# KiCad board proteus.kicad_pcb (continued)
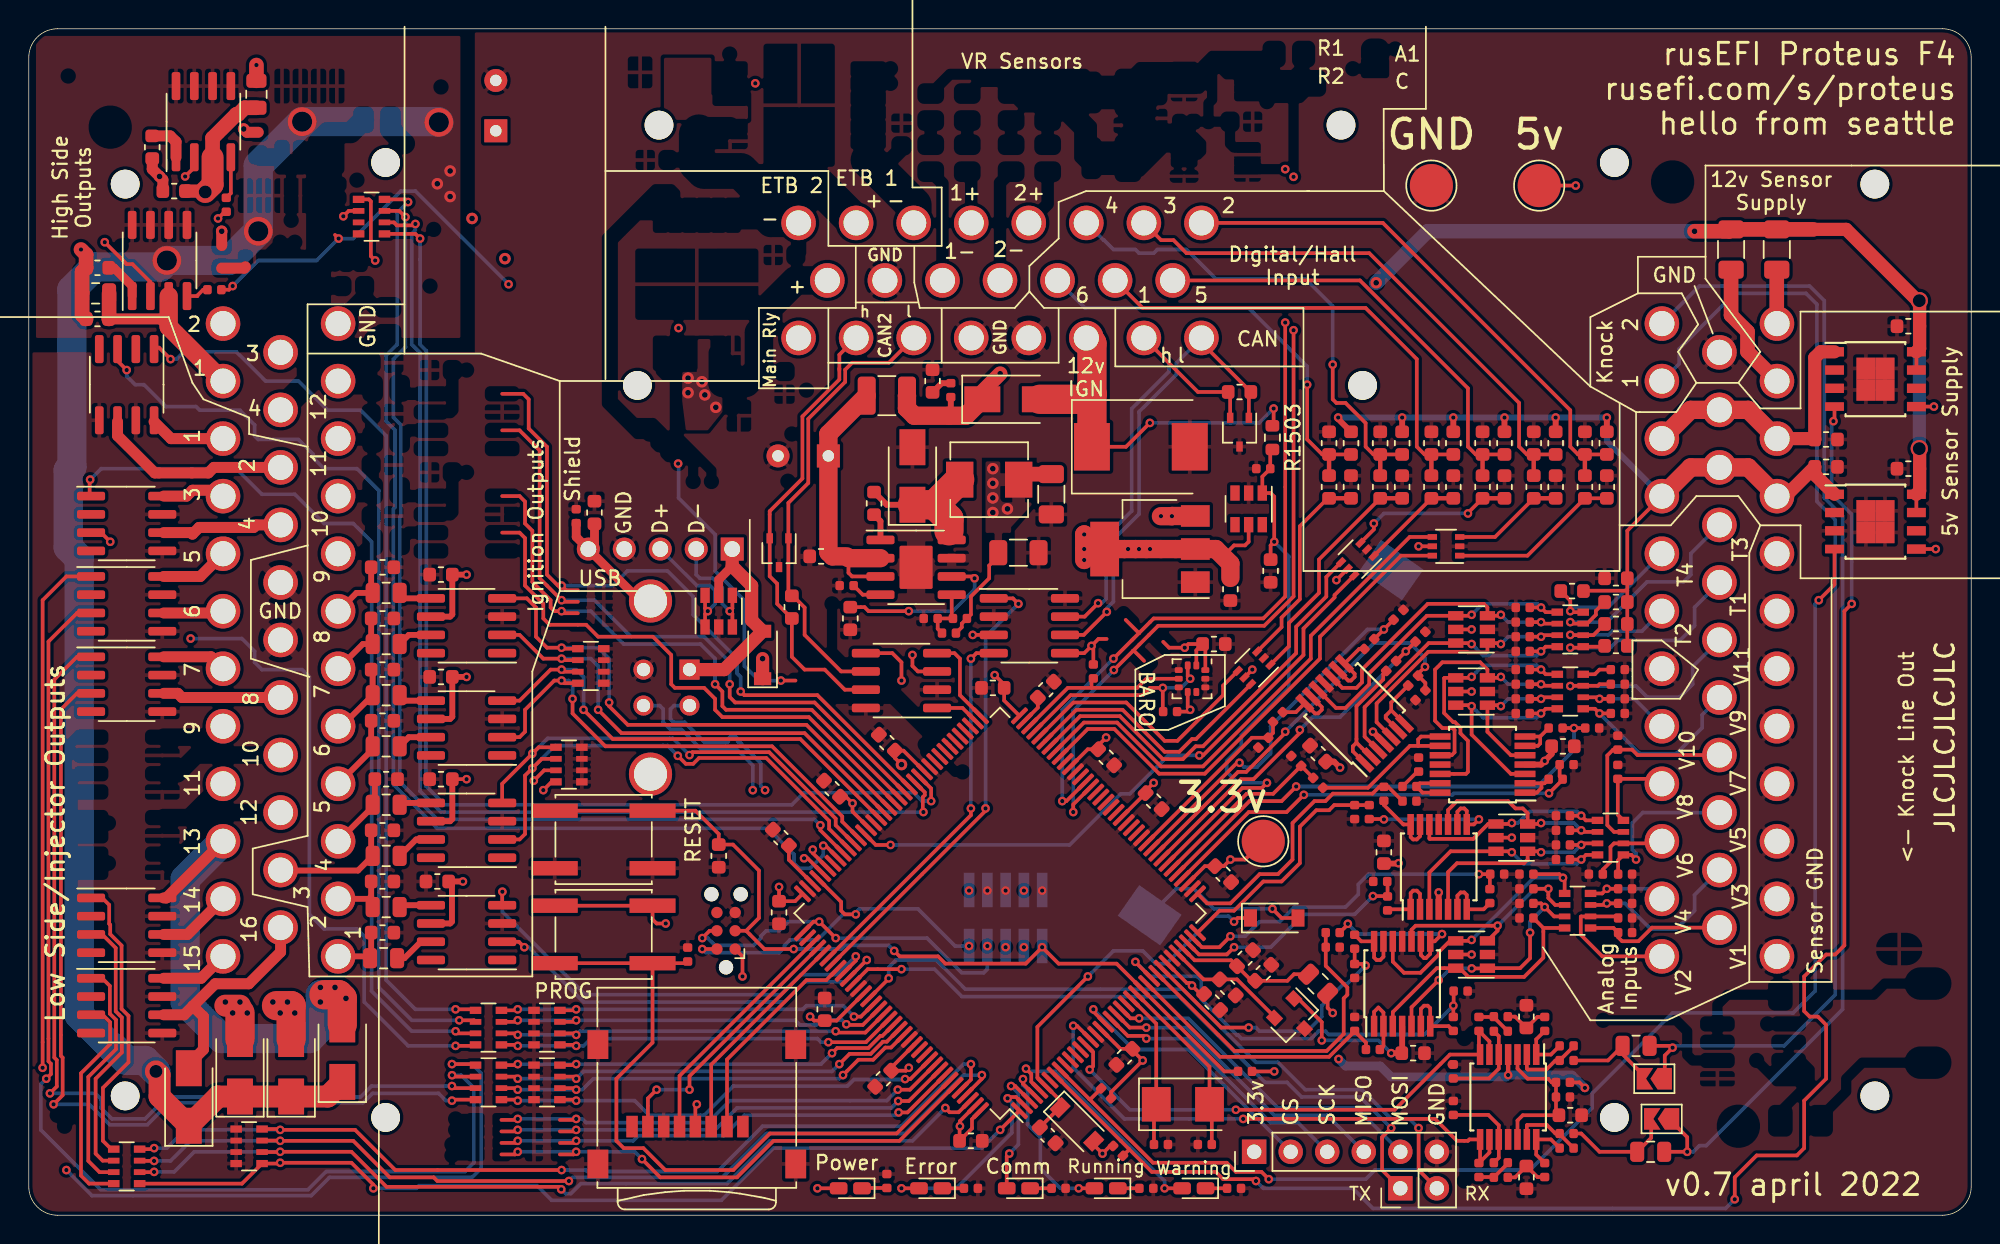
[diagram p0: board, top side]
## Routing (per net, layer and track width the routed paths; a pad name or vN(x,y) marks a point on that pad's centre or on a via; arc(x,y) is an arc through that point) (continued)
/mcu/AV5: length 17
  Top w0.254: R13.2 94.43,23.19 R9.1 94.41,22.19 v1(93.42,22.19) ; v1(83.77,18.64) 83.26,18.13 81.33,18.13 U1501.34
  Bottom w0.254: v1(93.42,22.19) 92.15,20.92 88.59,20.92 86.31,18.64 v1(83.77,18.64)
/mcu/AV6: length 24.5
  Top w0.254: v1(83.51,19.4) 82.75,18.64 81.53,18.64 U1501.35 ; R10.1 101.55,23.69 R14.2 v1(100.78,23.72)
  Bottom w0.254: v1(83.51,19.4) 84.53,19.4 85.54,20.41 86.94,20.41 87.96,21.43 91.51,21.43 92.4,22.32 92.4,23 93.12,23.72 v1(100.78,23.72)
/mcu/AV7: length 17.1
  Top w0.254: U1501.36 82.76,21.18 83.77,21.18 85.8,23.21 87.07,23.21 88.34,24.48 88.34,27.02 89.48,28.16 90.37,28.16 90.73,28.52 R15.2 R11.1
/mcu/AV8: length 19.8
  Top w0.254: U1501.37 81.9,21.68 83.51,21.68 85.54,23.72 86.81,23.72 87.83,24.73 87.83,27.27 89.35,28.8 90.12,28.8 90.64,29.32 93.39,29.32 93.86,29.79 R12.1 94.48,29.79 R16.2
/mcu/AV9: length 30.4
  Top w0.254: v1(88.62,29.23) 87.42,28.03 84.79,28.03 U1501.40 ; R21.2 106.39,30.53 R17.1 106.6,30.29 v1(105.66,29.34)
  Bottom w0.254: v1(105.66,29.34) 99.04,29.34 98.93,29.23 v1(88.62,29.23)
/mcu/AV10: length 34.2
  Top w0.254: v1(88.08,29.81) 87.07,28.8 84.84,28.8 U1501.41 ; R18.1 v1(107.39,33.88) R22.2
  Bottom w0.254: v1(88.08,29.81) 104.85,29.81 107.39,32.35 v1(107.39,33.88)
/mcu/AV11: length 13.1
  Top w0.254: R19.1 R23.2 86.48,29.3 84.64,29.3 U1501.42
/mcu/VDDA: length 10.2
  Top w0.254: U1501.33 81.03,17.73 83.56,17.73 C1501.1 84.99,16.3 C1502.1 87.47,16.3 87.93,16.76 FB1501.2
  Top w0.406: 84.18,17.11 C1501.1
GND: length 11.2
  Top w0.61: C25.1 98.91,10.48
  Top w0.762: R1108.2 8.58,72.74 v2(9.09,72.23) 9.32,72 C1302.2 ; 13.41,67.43 v2(13.41,68.42) ; 15.95,75.3 15.16,75.3 v2(14.93,75.53)
  Top w1.016: v1(3.63,67.15) 3.98,66.79 R1106.2 3.71,65.6 R34.2 3.71,62.6 C1301.2 ; R35.2 v1(15.82,79.98)
  Bottom w0.254: J1502.9 v1(70.43,22.57) ; 66.62,22.62 v1(66.62,22.57) ; J1502.5 v1(67.89,22.57)
(no net): length 1.7
  Top w0.762: 15.06,65.94 14.97,65.85 13.41,65.85
/AT1: length 15.4
  Top w0.254: v1(107.13,39.46) 107.96,39.46 RN1101.1 109.46,39.53 R1101.2
  Bottom w0.254: J103.19 115.77,42.27 115.77,40.99 114.75,39.97 110.44,39.97 109.93,39.46 v1(107.13,39.46)
/AT2: length 9.8
  Top w0.254: v1(107.13,40.35) 107.15,40.33 RN1101.2 108.74,40.33 R1102.2
  Bottom w0.254: J103.30 112.11,40.61 110.06,40.61 109.8,40.35 v1(107.13,40.35)
/AT3: length 17.2
  Top w0.254: R1103.2 108.91,42.03 108.91,41.75 108.3,41.13 RN1101.3 107.24,41.13 v1(107.13,41.24)
  Bottom w0.254: J103.20 115.52,46.02 115.52,44.54 115.01,44.04 112.47,44.04 109.67,41.24 v1(107.13,41.24)
/AT4: length 10.6
  Top w0.254: RN1101.4 107.2,41.93 v1(107.13,42) 107.13,42.74 R1104.2
  Bottom w0.254: v1(107.13,42) 107.39,42.26 109.76,42.26 J103.31
/CAN2+: length 31.6
  Top w0.254: 57.6,60.9 J101.22 56.33,59.83 56.33,58.87 ; 56.33,58.87 56.33,58.11 53.77,55.55 53.77,51.23 51.49,48.95 D2.2 51.49,44.43 52.02,43.91 52.02,42.51 R33.1 53.03,38.83 53.92,37.94 55.32,37.94 56.72,36.54 U6.7 ; 56.33,58.87 56.33,58.77
/CAN2-: length 32.6
  Top w0.254: 58.18,37.81 56.46,37.81 53.92,40.35 53.92,42.26 53.11,43.07 R33.2 52.79,43.31 D2.1 52.79,49.53 54.17,50.92 54.17,55.38 56.74,57.94 56.74,58.79 57.22,59.28 59.78,59.28 J101.21
  Top w0.406: 62.48,61 J101.21
/CAN+: length 34.1
  Top w0.254: 76.91,60.41 J101.17 81.26,57.24 R1004.1 83.5,57.11 D1.2 ; v1(74.32,42.56) 73.38,41.62 U904.7
  Bottom w0.254: J101.17 79.25,59.25 79.25,58.67 76.65,56.08 76.65,48.97 74.88,47.19 74.88,42.87 74.56,42.56 v1(74.32,42.56)
/CAN-: length 32.4
  Top w0.254: v1(74.92,41.96) 73.32,40.35 U904.6 ; J101.16 81.5,60.68 R1004.2 84.8,57.11 84.8,55.45
  Bottom w0.254: v1(74.92,41.96) 74.92,42.2 75.38,42.66 75.38,46.98 77.16,48.76 77.16,55.87 79.75,58.46 79.75,59.25 J101.16
/DIGITAL_1: length 33.6
  Top w0.254: R1401.2 C1401.1 97.01,52.9 96.47,53.44 96.47,59.53 92.91,63.09 77.41,63.09 J101.10
  Top w0.305: R1402.2 C1401.1
/DIGITAL_2: length 37.8
  Top w0.254: J101.1 94.11,69 107.13,55.97 107.13,53.44 107.67,52.9 C1403.1 R1403.2
  Top w0.305: C1403.1 R1404.2
/DIGITAL_3: length 38.5
  Top w0.254: J101.2 78.7,67.8 79.56,67.8 80.46,66.9 93.16,66.9 103.58,56.48 103.58,53.44 104.12,52.9 C1405.1 R1405.2
  Top w0.305: R1406.2 C1405.1
/DIGITAL_4: length 35.1
  Top w0.254: R1407.2 C1407.1 93.45,52.9 92.91,53.44 92.91,55.09 91.51,56.48 90.88,56.48 90.62,56.74 v3(90.62,59.15)
  Top w0.305: C1407.1 R1408.2
  Bottom w0.254: J101.3 74.7,67.8 74.73,67.8 75.38,67.15 76.91,67.15 77.16,66.9 78.18,66.9 78.43,67.15 80.46,67.15 82.5,65.12 88.72,65.12 90.62,63.21 v3(90.62,59.15)
/DIGITAL_5: length 31.9
  Top w0.254: R1201.2 C1204.1 100.56,52.9 100.02,53.44 100.02,57.5 92.52,65 J101.9
  Top w0.305: C1204.1 R1202.2
/DIGITAL_6: length 29.9
  Top w0.254: R1203.2 C1207.1 89.89,52.9 88.85,53.95 v1(88.85,57.75)
  Top w0.305: R1204.2 C1207.1
  Bottom w0.254: J101.11 73.41,63.09 84.78,63.09 88.85,59.02 v1(88.85,57.75)
/ETB1_DIR: length 0.5
  Top w0.254: U1501.79 64.03,32.64 63.73,32.93 63.7,32.93
/highside_quad/IN1: length 78.2
  Top w0.254: v1(55.22,25.7) 55.38,25.7 U1501.101 ; RN1301.4 26.18,70.64 v3(26.36,70.45)
  Bottom w0.254: v3(26.36,70.45) 25.6,69.69 25.6,60.55 24.84,59.78 24.84,55.21 25.45,54.6 25.45,49.22 25.35,49.12 25.35,29.94 28.38,26.9 51.37,26.9 53.18,25.09 53.18,24.48 53.54,24.12 54.3,24.12 55.22,25.04 v1(55.22,25.7)
/highside_quad/IN2: length 74.7
  Top w0.254: v1(55.01,27.12) 55.01,26.77 U1501.100 ; RN1301.3 25.75,69.84 v3(26.18,69.41)
  Bottom w0.254: v3(26.18,69.41) 26.18,68.98 ; 26.18,68.98 26.11,68.91 ; 26.18,68.98 26.18,60.36 25.35,59.53 25.35,55.47 25.85,54.96 25.85,48.61 25.79,48.54 25.79,30.13 28.39,27.53 54.61,27.53 v1(55.01,27.12)
/highside_quad/IN3: length 80.1
  Top w0.254: U1501.86 62.27,29.41 62.27,29.21 62.14,29.07 62.14,28.07 v1(62.18,28.03) ; v3(26.87,68.93) 26.77,68.83 25.58,68.83 25.38,69.04 RN1301.2
  Bottom w0.254: v1(62.18,28.03) 28.65,28.03 27.2,29.49 27.2,59.97 26.62,60.55 26.62,68.25 26.87,68.5 v3(26.87,68.93)
/highside_quad/IN4: length 79.1
  Top w0.254: v1(62.71,28.8) 62.71,29.67 U1501.85 ; v3(27.2,67.91) 26.87,68.24 RN1301.1
  Bottom w0.254: v1(62.71,28.8) 62.08,28.8 61.5,29.38 53.87,29.38 53.03,28.54 28.9,28.54 27.6,29.84 27.6,37.66 27.63,37.69 27.63,60.1 27.2,60.54 v3(27.2,67.91)
/HS1: length 13.7
  Top w0.762: 9.73,61.77 9.18,62.32 C1301.1
  Top w1.016: C1301.1 5.58,62.35 R34.1
  Top w1.27: U1102.3 9.73,61.77 J102.2
/HS2: length 19.5
  Top w0.914: C1302.1 12.2,71.21 v4(12.27,71.15)
  Top w1.016: 12.77,73.56 12.77,74.9 14.42,76.55 14.55,76.55 15.01,77.01 R35.1
  Top w1.524: 12.77,73.56 12.77,71.66 v4(12.27,71.15)
  In2.Cu w2.032: J102.1 12.3,63.2 12.3,66.9 11.63,67.57 11.63,70.52 v4(12.27,71.15)
/IGN1: length 4.1
  Top w0.406: C1605.1 23.8,17.95 R1601.1 23.6,18 J102.35
/ign1/IN1: length 42.7
  Top w0.254: v1(34.44,18.64) 34.06,19.02 U1602.2 ; RN1601.8 36.34,30.14 v1(35.76,29.56) ; v1(58.24,17.75) 58.24,17.75 U1501.118
  In2.Cu w0.254: v1(34.44,18.64) 34.44,28.24 v1(35.76,29.56)
  Bottom w0.254: v1(34.44,18.64) 34.74,18.64 38.55,14.83 52.52,14.83 53.92,16.22 56.72,16.22 v1(58.24,17.75)
/ign1/IN2: length 42.8
  Top w0.254: v1(32.92,22.5) 32.9,22.48 U1602.4 ; v1(35.1,30.22) 35.82,30.94 RN1601.7 ; U1501.117 57.48,17.69 v1(57.48,18)
  In2.Cu w0.254: v1(35.1,30.22) 34.03,29.15 34.03,22.95 33.58,22.5 v1(32.92,22.5)
  Bottom w0.254: v1(32.92,22.5) 32.92,21.1 38.68,15.33 52.27,15.33 53.67,16.73 56.21,16.73 v1(57.48,18)
/ign1/IN3: length 34.7
  Top w0.254: 32.9,26.13 34.11,26.13 34.49,26.51 34.49,30.57 v1(35,31.08) 35.65,31.74 RN1601.6 ; U1501.99 55.62,26.87 55.62,27.42 51.25,31.79 46.58,31.79 46.17,31.39 45.67,31.39 v1(45.11,31.95)
  Bottom w0.254: v1(35,31.08) 36.57,32.66 44.4,32.66 v1(45.11,31.95)
/ign1/IN4: length 32.3
  Top w0.254: RN1601.5 35.44,32.54 v1(35,32.1) 32.9,30 U1603.4 ; v1(45.92,32) 46.12,32.2 51.46,32.2 56.08,27.58 56.08,27.12 U1501.98
  Bottom w0.254: v1(45.92,32) 44.75,33.16 36.06,33.16 v1(35,32.1)
/IGN2: length 4.2
  Top w0.406: C1606.1 23.8,22.17 ; 23.8,22.17 23.63,22 J102.34 ; 23.8,22.17 23.8,21.53 R1602.1
/ign2/IN1: length 34.4
  Top w0.254: RN1701.8 37.21,36.99 v1(37.03,37.18) 36.52,37.18 34.49,35.15 34.49,33.62 34.11,33.24 U1701.2 ; v1(37.79,35.91) 37.79,34.89 40.08,32.61 51.66,32.61 56.54,27.73 56.54,27.37 U1501.97
  Bottom w0.254: v1(37.03,37.18) 37.54,37.18 37.79,36.92 v1(37.79,35.91)
/ign2/IN2: length 33.9
  Top w0.254: 32.9,35.78 34.11,35.78 36.27,37.94 v1(37.03,37.94) 37.18,37.79 RN1701.7 ; v1(38.55,35.15) 40.59,33.11 53.62,33.11 U1501.93
  Bottom w0.254: v1(37.03,37.94) 38.05,37.94 38.55,37.43 v1(38.55,35.15)
/ign2/IN3: length 34.6
  Top w0.254: RN1701.6 37.14,38.59 v1(37.03,38.7) 35.76,38.7 34.11,40.35 U1702.2 ; v1(39.57,35.15) 41.2,33.52 53.92,33.52 U1501.92
  Bottom w0.254: v1(39.57,35.15) 39.57,38.19 39.06,38.7 v1(37.03,38.7)
/ign2/IN4: length 37.2
  Top w0.254: v1(40.33,35.65) 40.33,35.4 41.63,34.1 54.05,34.1 U1501.91 ; RN1701.5 37.1,39.39 v1(37.03,39.46) 36.01,39.46 35.25,40.23 35.25,42.26 34.62,42.89 U1702.4
  Bottom w0.254: v1(40.33,35.65) 40.33,38.7 39.57,39.46 v1(37.03,39.46)
/IGN3: length 8.7
  Top w0.406: J102.22 17.53,23.97 22.88,23.97 R1603.1 23.8,25.09 C1608.1
/IGN4: length 5.4
  Top w0.406: C1609.1 24.05,28.69 R1604.1 23.9,28.4 J102.33
/IGN5: length 5.4
  Top w0.406: C1702.1 23.8,32.71 R1701.1 23.9,32.4 J102.32
/IGN6: length 5.1
  Top w0.406: C1703.1 23.9,37.84 R1702.1 21.74,34 J102.31
/IGN7: length 4.9
  Top w0.406: J102.30 23.22,39.72 R1703.1 23.8,39.82 C1705.1
/IGN8: length 4.7
  Top w0.406: C1706.1 23.8,43.38 R1704.1 22.77,43.27 J102.29
/IGN9: length 39.2
  Top w0.254: 32.9,47.47 34.11,47.47 34.49,47.08 34.49,43.78 35.76,42.51 35.76,41.5 36.2,41.06 38.74,41.06 39.57,40.23 43.38,40.23 44.65,38.96 44.65,36.92 44.9,36.67 46.94,36.67 47.7,35.91 47.7,35.15 48.21,34.64 54.22,34.64 U1501.90
/IGN10: length 42.4
  Top w0.254: v1(47.7,36.92) 48.21,36.42 48.21,35.4 48.46,35.15 54.41,35.15 U1501.89 ; 38.16,41.86 37.18,41.86 v1(37.03,42) 36.52,42 36.27,42.26 36.27,42.77 35,44.04 35,47.59 34.49,48.1 34.49,49.62 34.11,50.01 32.9,50.01
  Bottom w0.254: v1(37.03,42) 39.06,42 41.35,39.72 46.68,39.72 47.7,38.7 v1(47.7,36.92)
/IGN11: length 46.2
  Top w0.254: v1(48.71,36.92) 48.71,36.03 49.09,35.65 54.61,35.65 U1501.88 ; 32.9,54.58 34.11,54.58 35.51,53.18 35.51,44.29 v1(37.03,42.77) 37.14,42.66 38.16,42.66
  Bottom w0.254: v1(37.03,42.77) 39.32,42.77 41.86,40.23 46.94,40.23 48.71,38.45 v1(48.71,36.92)
/IGN12: length 50.1
  Top w0.254: U1501.87 61.2,29.78 54.81,36.16 49.73,36.16 v1(49.48,36.42) ; 38.16,43.46 37.35,43.46 v1(37.03,43.78) 36.78,43.78 36.01,44.54 36.01,53.43 34.74,54.7 34.74,56.74 34.36,57.12 32.9,57.12
  Bottom w0.254: v1(49.48,36.42) 49.48,37.43 49.22,37.69 49.22,38.7 46.17,41.75 46.17,43.02 44.4,44.8 41.6,44.8 40.59,43.78 v1(37.03,43.78)
/knock/FILTERED_1: length 35.6
  Top w0.254: U1501.14 73.97,11.35 73.97,10.36 v1(73.73,10.13) ; v1(83.89,7.33) 94.93,7.33 98.77,11.17 U5.7 100.78,11.25 C23.2 101.52,12.09 U5.6
  Bottom w0.254: v1(83.89,7.33) 76.53,7.33 v1(73.73,10.13)
/knock/FILTERED_2: length 38.6
  Top w0.254: U1501.15 72.85,13.18 v1(72.59,13.18) ; U5.9 101.52,4.36 C24.2 100.87,3.71 U5.8 100.12,5.27 100.02,5.17 99.26,5.17 97.74,6.7 v1(84.4,6.7)
  Bottom w0.254: v1(72.59,13.18) 72.59,10.25 76.15,6.7 v1(84.4,6.7)
/knock/V_mid: length 10.8
  Top w0.254: U5.12 103.47,6.59 103.83,6.95 C1903.2 106.14,7.16 R38.1 R40.1 105.85,9.24 105.59,9.49 104.17,9.49 103.47,10.19 U5.3
/KNOCK_1: length 79.8
  Top w0.254: C1901.2 114.12,11.78 v1(114.25,11.65) 113.7,11.11 JP1.1 113.7,9.71
  Bottom w0.254: v1(114.25,11.65) 114.37,11.78 121.99,11.78 125.55,15.33 125.55,48.35 124.28,49.62 124.28,63.34 123.52,64.1 118.56,64.1 114.7,60.24 114.7,59.2 J103.34
/KNOCK_2: length 81.8
  Top w0.254: C1902.2 v1(115.26,4.41) 115.26,5.43 114.21,6.48 JP2.1
  Bottom w0.254: v1(115.26,4.41) 115.69,4.41 116.11,4.84 116.58,4.84 126.06,14.32 126.06,48.61 124.79,49.88 124.79,63.59 123.77,64.61 116.11,64.61 J103.35
/lowside_quad1/IN1: length 27.9
  Top w0.254: v1(38.05,14.32) 37.98,14.25 RN202.8 ; v1(33.98,14.32) 33.91,14.25 RN201.4 ; U1501.123 57.84,13.81 v1(57.35,13.81)
  Bottom w0.254: v1(57.35,13.81) 56.59,14.57 54.05,14.57 53.79,14.32 v1(38.05,14.32) v1(33.98,14.32)
/lowside_quad1/IN2: length 28.3
  Top w0.254: v1(56.82,13.28) 56.87,13.23 57.96,13.23 U1501.124 ; RN201.3 33.87,13.45 v1(33.98,13.56) ; RN202.7 37.94,13.45 v1(38.05,13.56)
  Bottom w0.254: v1(56.82,13.28) 56.52,13.58 55.09,13.58 54.74,13.23 53.61,13.23 53.29,13.56 v1(38.05,13.56) v1(33.98,13.56)
/lowside_quad1/IN3: length 28.5
  Top w0.254: v1(56.08,12.79) 56.17,12.7 58.14,12.7 U1501.125 ; v1(38.05,12.54) 37.94,12.65 RN202.6 ; RN201.2 33.87,12.65 v1(33.98,12.54)
  Bottom w0.254: v1(56.08,12.79) 38.3,12.79 v1(38.05,12.54) v1(33.98,12.54)
/lowside_quad1/IN4: length 29.1
  Top w0.254: U1501.126 58.18,12.03 v1(55.57,12.03) ; RN201.1 33.91,11.85 v1(33.98,11.78) ; RN202.5 37.98,11.85 v1(38.05,11.78)
  Bottom w0.254: v1(55.57,12.03) 55.06,12.03 54.81,12.29 39.06,12.29 38.55,11.78 v1(38.05,11.78) v1(33.98,11.78)
/lowside_quad2/IN1: length 29.6
  Top w0.254: v1(33.98,10.51) 33.91,10.44 RN301.4 ; v1(55.83,11.27) 56.18,11.63 58.35,11.63 59.19,12.47 59.33,12.47 U1501.127 ; RN302.8 37.98,10.44 v1(38.05,10.51)
  Bottom w0.254: v1(33.98,10.51) v1(38.05,10.51) 55.06,10.51 v1(55.83,11.27)
/lowside_quad2/IN2: length 30.3
  Top w0.254: v1(33.98,9.49) 33.84,9.64 RN301.3 ; v1(38.05,9.49) 37.9,9.64 RN302.7 ; U1501.128 59.63,12.07 59.36,12.07 58.52,11.22 57.05,11.22 v1(56.33,10.51)
  Bottom w0.254: v1(56.33,10.51) 55.83,10 38.55,10 v1(38.05,9.49) v1(33.98,9.49)
/lowside_quad2/IN3: length 30.8
  Top w0.254: v1(56.59,9.75) 57.65,10.81 58.68,10.81 59.53,11.66 59.93,11.66 U1501.129 ; v1(33.98,8.73) 33.87,8.84 RN301.2 ; v1(38.05,8.73) 37.94,8.84 RN302.6
  Bottom w0.254: v1(33.98,8.73) v1(38.05,8.73) 38.47,8.73 39.23,9.49 56.33,9.49 v1(56.59,9.75)
/lowside_quad2/IN4: length 33
  Top w0.254: RN301.1 33.91,8.04 v1(33.98,7.97) ; RN302.5 37.98,8.04 v1(38.05,7.97) ; U1501.134 61.27,9.47 v1(60.9,9.47)
  Bottom w0.254: v1(33.98,7.97) v1(38.05,7.97) 42.11,7.97 43.13,6.95 46.94,6.95 48.97,8.98 56.9,8.98 57.35,9.44 60.87,9.44 v1(60.9,9.47)
/lowside_quad4/IN1: length 66
  Top w0.254: U1501.140 65.48,9.43 v1(65.48,10.51) ; RN501.4 8.64,4.6 v1(8.71,4.67) ; v1(37.03,3.14) 25.47,3.14 22.68,5.94 v1(17.47,5.94) 17.41,5.99 RN502.8
  Bottom w0.254: v1(65.48,10.51) 64.97,10.51 60.65,6.19 51,6.19 47.85,3.04 38.81,3.04 38.71,3.14 v1(37.03,3.14) ; v1(17.47,5.94) 10.87,5.94 9.6,4.67 v1(8.71,4.67)
/lowside_quad4/IN2: length 66.5
  Top w0.254: 16.21,5.19 17.45,5.19 v1(17.47,5.17) 22.55,5.17 25.09,2.63 28.14,2.63 28.39,2.38 v1(37.54,2.38) ; U1501.141 66.24,9.49 v1(66.24,9.75) ; RN501.3 7.72,3.78 v1(8.71,3.78)
  Bottom w0.254: v1(37.54,2.38) 37.79,2.63 48.21,2.63 51.25,5.68 60.91,5.68 64.97,9.75 v1(66.24,9.75) ; v1(17.47,5.17) 11.25,5.17 9.85,3.78 v1(8.71,3.78)
/lowside_quad4/IN3: length 63.7
  Top w0.254: v1(37.01,1.8) 36.83,1.97 24.86,1.97 22.42,4.41 v1(17.47,4.41) 17.45,4.39 RN502.6 ; RN501.2 8.69,3 v1(8.71,3.01) ; U1501.142 64.62,7.16 64,7.16 v1(63.7,7.46)
  Bottom w0.254: v1(37.01,1.8) 37.31,1.5 37.68,1.5 38.37,2.2 48.53,2.2 51.51,5.17 61.41,5.17 v1(63.7,7.46) ; v1(8.71,3.01) 10.11,3.01 11.5,4.41 v1(17.47,4.41)
/lowside_quad4/IN4: length 65.7
  Top w0.254: v1(67.51,5.94) 68.85,7.27 U1501.1 ; v1(23.95,1.87) 23.95,2.13 22.42,3.65 v1(17.47,3.65) 17.41,3.59 RN502.5 14.82,2.2 RN501.1
  Bottom w0.254: v1(23.95,1.87) 26.94,1.87 27.12,2.05 35.32,2.05 36.34,1.04 48.13,1.04 51.76,4.67 66.24,4.67 v1(67.51,5.94)
/LS1: length 5.3
  Top w0.762: J102.3 9.89,54 8.71,55.18
/LS2: length 13.5
  Top w0.762: J102.15 12.86,52 12.48,51.62 8.76,51.62 6.17,54.2 6.17,55.18
/LS3: length 4.6
  Top w0.762: J102.4 13.09,50.41 11.38,50.41 10.97,50.01 9.38,50.01
  Bottom w0.305: 13.37,50.13 J102.4
/LS4: length 8.4
  Top w0.762: 9.38,47.47 11.27,47.47 11.38,47.36 11.84,47.83 15.63,47.83 15.8,48 J102.16
/LS5: length 4.8
  Top w0.762: 9.38,44.42 11.92,44.42 J102.5
/LS6: length 4.2
  Top w0.762: J102.6 13.38,41.88 9.38,41.88
  Bottom w0.305: 13.5,42 J102.6
/LS7: length 4.5
  Top w0.762: J102.7 12.67,38.83 9.38,38.83
  Bottom w0.305: 13.44,37.94 J102.7
/LS8: length 8.2
  Top w0.762: 9.38,36.29 10.35,36.29 10.64,36 J102.19
/LS9: length 33.1
  Top w0.254: 32.85,6.63 33.91,6.63 v1(33.98,6.7) ; v1(60.4,8.73) 61.24,8.73 U1501.135 ; v1(38.05,6.7) 37.98,6.63 36.91,6.63
  Bottom w0.254: v1(33.98,6.7) v1(38.05,6.7) 38.47,6.7 38.72,6.44 47.19,6.44 48.71,7.97 59.64,7.97 v1(60.4,8.73)
/LS10: length 33.4
  Top w0.254: v1(33.98,5.94) 33.87,5.83 32.85,5.83 ; v1(38.05,5.94) 37.94,5.83 36.91,5.83 ; v1(60.43,7.94) 61.16,7.94 U1501.136
  Bottom w0.254: v1(33.98,5.94) v1(38.05,5.94) 47.7,5.94 49.22,7.46 59.95,7.46 v1(60.43,7.94)
/LS11: length 34
  Top w0.254: v1(60.45,7.15) 61.07,7.15 U1501.137 ; v1(38.05,5.17) 37.9,5.03 36.91,5.03 ; v1(33.98,5.17) 33.84,5.03 32.85,5.03
  Bottom w0.254: v1(60.45,7.15) 60.26,6.95 49.73,6.95 48.31,5.53 42.36,5.53 42.01,5.17 v1(38.05,5.17) v1(33.98,5.17)
/LS12: length 36.2
  Top w0.254: 36.91,4.23 37.86,4.23 v1(38.05,4.41) ; U1501.139 60.51,5.17 51.76,5.17 49.22,2.63 43.89,2.63 v1(42.62,3.9) ; 32.85,4.23 33.8,4.23 v1(33.98,4.41)
  Bottom w0.254: v1(33.98,4.41) v1(38.05,4.41) 42.11,4.41 v1(42.62,3.9)
/LS13: length 35.3
  Top w0.762: J102.10 9.57,22.06 9.38,22.06
  Top w2.032: 20.52,15.33 21.54,15.33 21.79,15.08 D103.2
  Bottom w2.032: J102.10 10.87,23.37 10.87,14.83 13.41,12.29 19.5,12.29 20.27,13.05 20.27,15.33 21.28,15.33
  vias: v2(20.27,15.84) v2(20.27,14.83) v2(21.28,15.84) v2(22.04,15.08)
/LS14: length 19.1
  Top w0.762: J102.11 11.02,19.52 9.38,19.52
  Top w1.524: 14.68,14.57 13.66,14.57
  Top w2.032: D101.2 14.68,14.06
  In2.Cu w2.032: 14.68,14.57 13.15,14.57 10.87,16.86 10.87,19.65 13.22,22 J102.11
  vias: v2(13.66,14.83) v2(14.17,14.06) v2(14.68,14.83) v2(15.19,14.06)
/LS15: length 15.5
  Top w0.762: 9.38,16.48 11.98,16.48 J102.12
  Top w2.032: 17.22,14.57 18.23,14.57 D104.2
  In2.Cu w2.032: 18.23,14.57 17.22,14.57 17.22,15.84 15.95,17.11 14.39,17.11 J102.12
  Bottom w0.305: J102.12 13.5,17.68
  Bottom w0.762: 13.66,17.84 J102.12
  vias: v2(16.96,14.83) v2(17.47,14.06) v2(17.98,14.83) v2(18.49,14.06)
/LS16: length 16.7
  Top w0.762: 11.4,14.54 10.8,13.94 9.38,13.94 ; 11.4,14.54 12.14,13.81 12.14,11.52 11.12,10.51 D102.2 ; 11.4,14.54 12.96,16.1 15.29,16.1 17.5,18.3 J102.23
/mcu/AT1: length 24.9
  Top w0.254: R25.1 v1(95.7,39.21) R29.2 ; U1501.44 84.24,30.32 85.12,30.32 88.34,33.54 v1(88.34,33.75)
  Bottom w0.254: v1(95.7,39.21) 91.13,34.64 89.23,34.64 v1(88.34,33.75)
/mcu/AT2: length 27.8
  Top w0.254: v1(97.04,38.13) 96.55,37.65 R26.1 97.06,37.01 R30.2 ; U1501.45 84.05,30.83 84.61,30.83 87.32,33.54 v1(87.32,33.62)
  Bottom w0.254: v1(87.32,33.62) 93.49,39.79 95.98,39.79 97.04,38.74 v1(97.04,38.13)
/mcu/AT3: length 25.7
  Top w0.254: R31.2 v1(94.18,40.73) R27.1 ; v1(84.15,31.46) 83.97,31.46 U1501.46
  Bottom w0.254: v1(84.15,31.46) 84.45,31.16 85.37,31.16 86.31,32.1 86.31,34 93.04,40.73 v1(94.18,40.73)
/mcu/AT4: length 12.7
  Top w0.254: U1501.47 85.01,33.2 R32.2 86.47,33.53 R28.1
/mcu/AUX_SPI_CS: length 19.2
  Top w0.254: U1501.18 73.99,14.16 v1(73.99,14.32)
  Bottom w0.254: J1505.2 80.59,11.52 76.78,11.52 v1(73.99,14.32)
/mcu/AUX_SPI_MISO: length 21.2
  Top w0.254: U1501.20 76.51,13.05 v1(77.67,13.05)
  Bottom w0.254: J1505.4 90.24,6.95 86.56,6.95 80.46,13.05 v1(77.67,13.05)
/mcu/AUX_SPI_MOSI: length 23.5
  Top w0.254: U1501.21 76.58,13.69 v1(77.17,13.69)
  Bottom w0.254: v1(77.17,13.69) 80.58,13.69 86.81,7.46 92.28,7.46 J1505.5
/mcu/AUX_SPI_SCK: length 18.8
  Top w0.254: v1(77.67,12.29) 77.49,12.47 76.38,12.47 U1501.19
  Bottom w0.254: J1505.3 88.21,6.44 86.31,6.44 80.46,12.29 v1(77.67,12.29)
/mcu/BARO_SCL: length 15
  Top w0.254: U9.2 80.55,37.48 v1(80.72,37.3) ; U1501.69 72.41,36.16 77.42,36.16 77.92,36.67 v1(78.81,36.67) 78.81,35.04 R41.2
  Bottom w0.254: v1(78.81,36.67) 80.08,36.67 v1(80.72,37.3)
/mcu/BARO_SDA: length 12.4
  Top w0.254: 73.86,36.67 73.86,37.2 R39.2 ; 73.86,36.67 72.21,36.67 U1501.70 ; 73.86,36.67 77.03,36.67 77.67,37.3 U9.4
/mcu/BOOT0: length 49.3
  Top w0.254: R1513.1 45.67,17.52 SW1502.1 ; SW1502.1 43.35,12 40.84,9.49 40.84,5.17 41.35,4.67 42.71,4.67 44.24,3.14 48.97,3.14 51.51,5.68 60.31,5.68 U1501.138 ; SW1502.1 SW1502.1
/mcu/CAN2_RX: length 6.3
  Top w0.254: U1501.73 66.15,34.73 64.72,36.16 64.72,38.7 64.33,39.08 U6.4
/mcu/CAN2_TX: length 3
  Top w0.254: U6.1 64.89,35.27 U1501.74
/mcu/CAN_RX: length 26.7
  Top w0.254: v1(65.48,28.29) 65.48,27.82 U1501.114 ; v1(65.48,38.7) 65.86,39.08 U904.4
  Bottom w0.254: v1(65.48,38.7) v1(65.48,28.29)
/mcu/CAN_TX: length 32.2
  Top w0.254: v1(68.78,42.51) 68.4,42.89 U904.1 ; U1501.115 66.49,28.13 v1(66.49,28.29)
  Bottom w0.254: v1(68.78,42.51) 66.49,40.23 v1(66.49,28.29)
/mcu/DIGITAL1: length 43.4
  Top w0.254: U1202.6 90.75,43.12 90.75,42.96 88.59,40.8 88.59,38.96 81.61,31.97 v1(81.35,31.97) ; v1(59.89,25.75) 58.86,25.75 U1501.96
  Bottom w0.254: v1(81.35,31.97) 79.19,31.97 76.53,29.3 75.89,29.3 72.34,25.75 v1(59.89,25.75)
/mcu/DIGITAL2: length 35.1
  Top w0.254: U1207.6 95.37,45.86 89.73,40.23 89.73,38.7 81.73,30.7 78.56,30.7 75.45,33.81 73.59,33.81 U1501.64
/mcu/DIGITAL3: length 35.9
  Top w0.254: U1501.65 73.33,34.26 75.64,34.26 78.69,31.21 81.61,31.21 89.1,38.7 89.1,40.29 95.97,47.16 U1207.4
/mcu/DIGITAL4: length 18.4
  Top w0.254: U1208.6 81.13,33.11 80.84,33.11 79.96,32.23 78.94,32.23 76.02,35.15 72.81,35.15 U1501.67 70.62,32.99
/mcu/DIGITAL5: length 29.9
  Top w0.254: U1501.66 73.07,34.7 75.83,34.7 78.81,31.72 80.21,31.72 81.1,32.61 81.61,32.61 88.08,39.08 88.08,40.92 90.18,43.02 90.18,44.38 U1202.4
/mcu/DIGITAL6: length 18.2
  Top w0.254: U1501.68 72.61,35.65 76.27,35.65 78.94,32.99 79.83,32.99 83,36.16 83,36.83 U1208.4
/mcu/LED1: length 14.5
  Top w0.254: D1504.2 v1(60.65,1.87) ; v1(68.03,8.13) 68.12,8.22 68.61,8.22 U1501.2
  Bottom w0.254: v1(60.65,1.87) 64.46,1.87 68.33,5.74 68.33,7.83 v1(68.03,8.13)
/mcu/LED2: length 9.4
  Top w0.254: U1501.3 68.56,8.98 v1(68.27,8.98) ; v1(68.14,4.29) 67.97,4.11 D1505.2
  Bottom w0.254: v1(68.14,4.29) 68.78,4.92 68.78,8.48 v1(68.27,8.98)
/mcu/LED3: length 12.5